# Altium PCB RoBeast_Control_Board_PCB.PcbDoc (part 2 of 3) (continued)
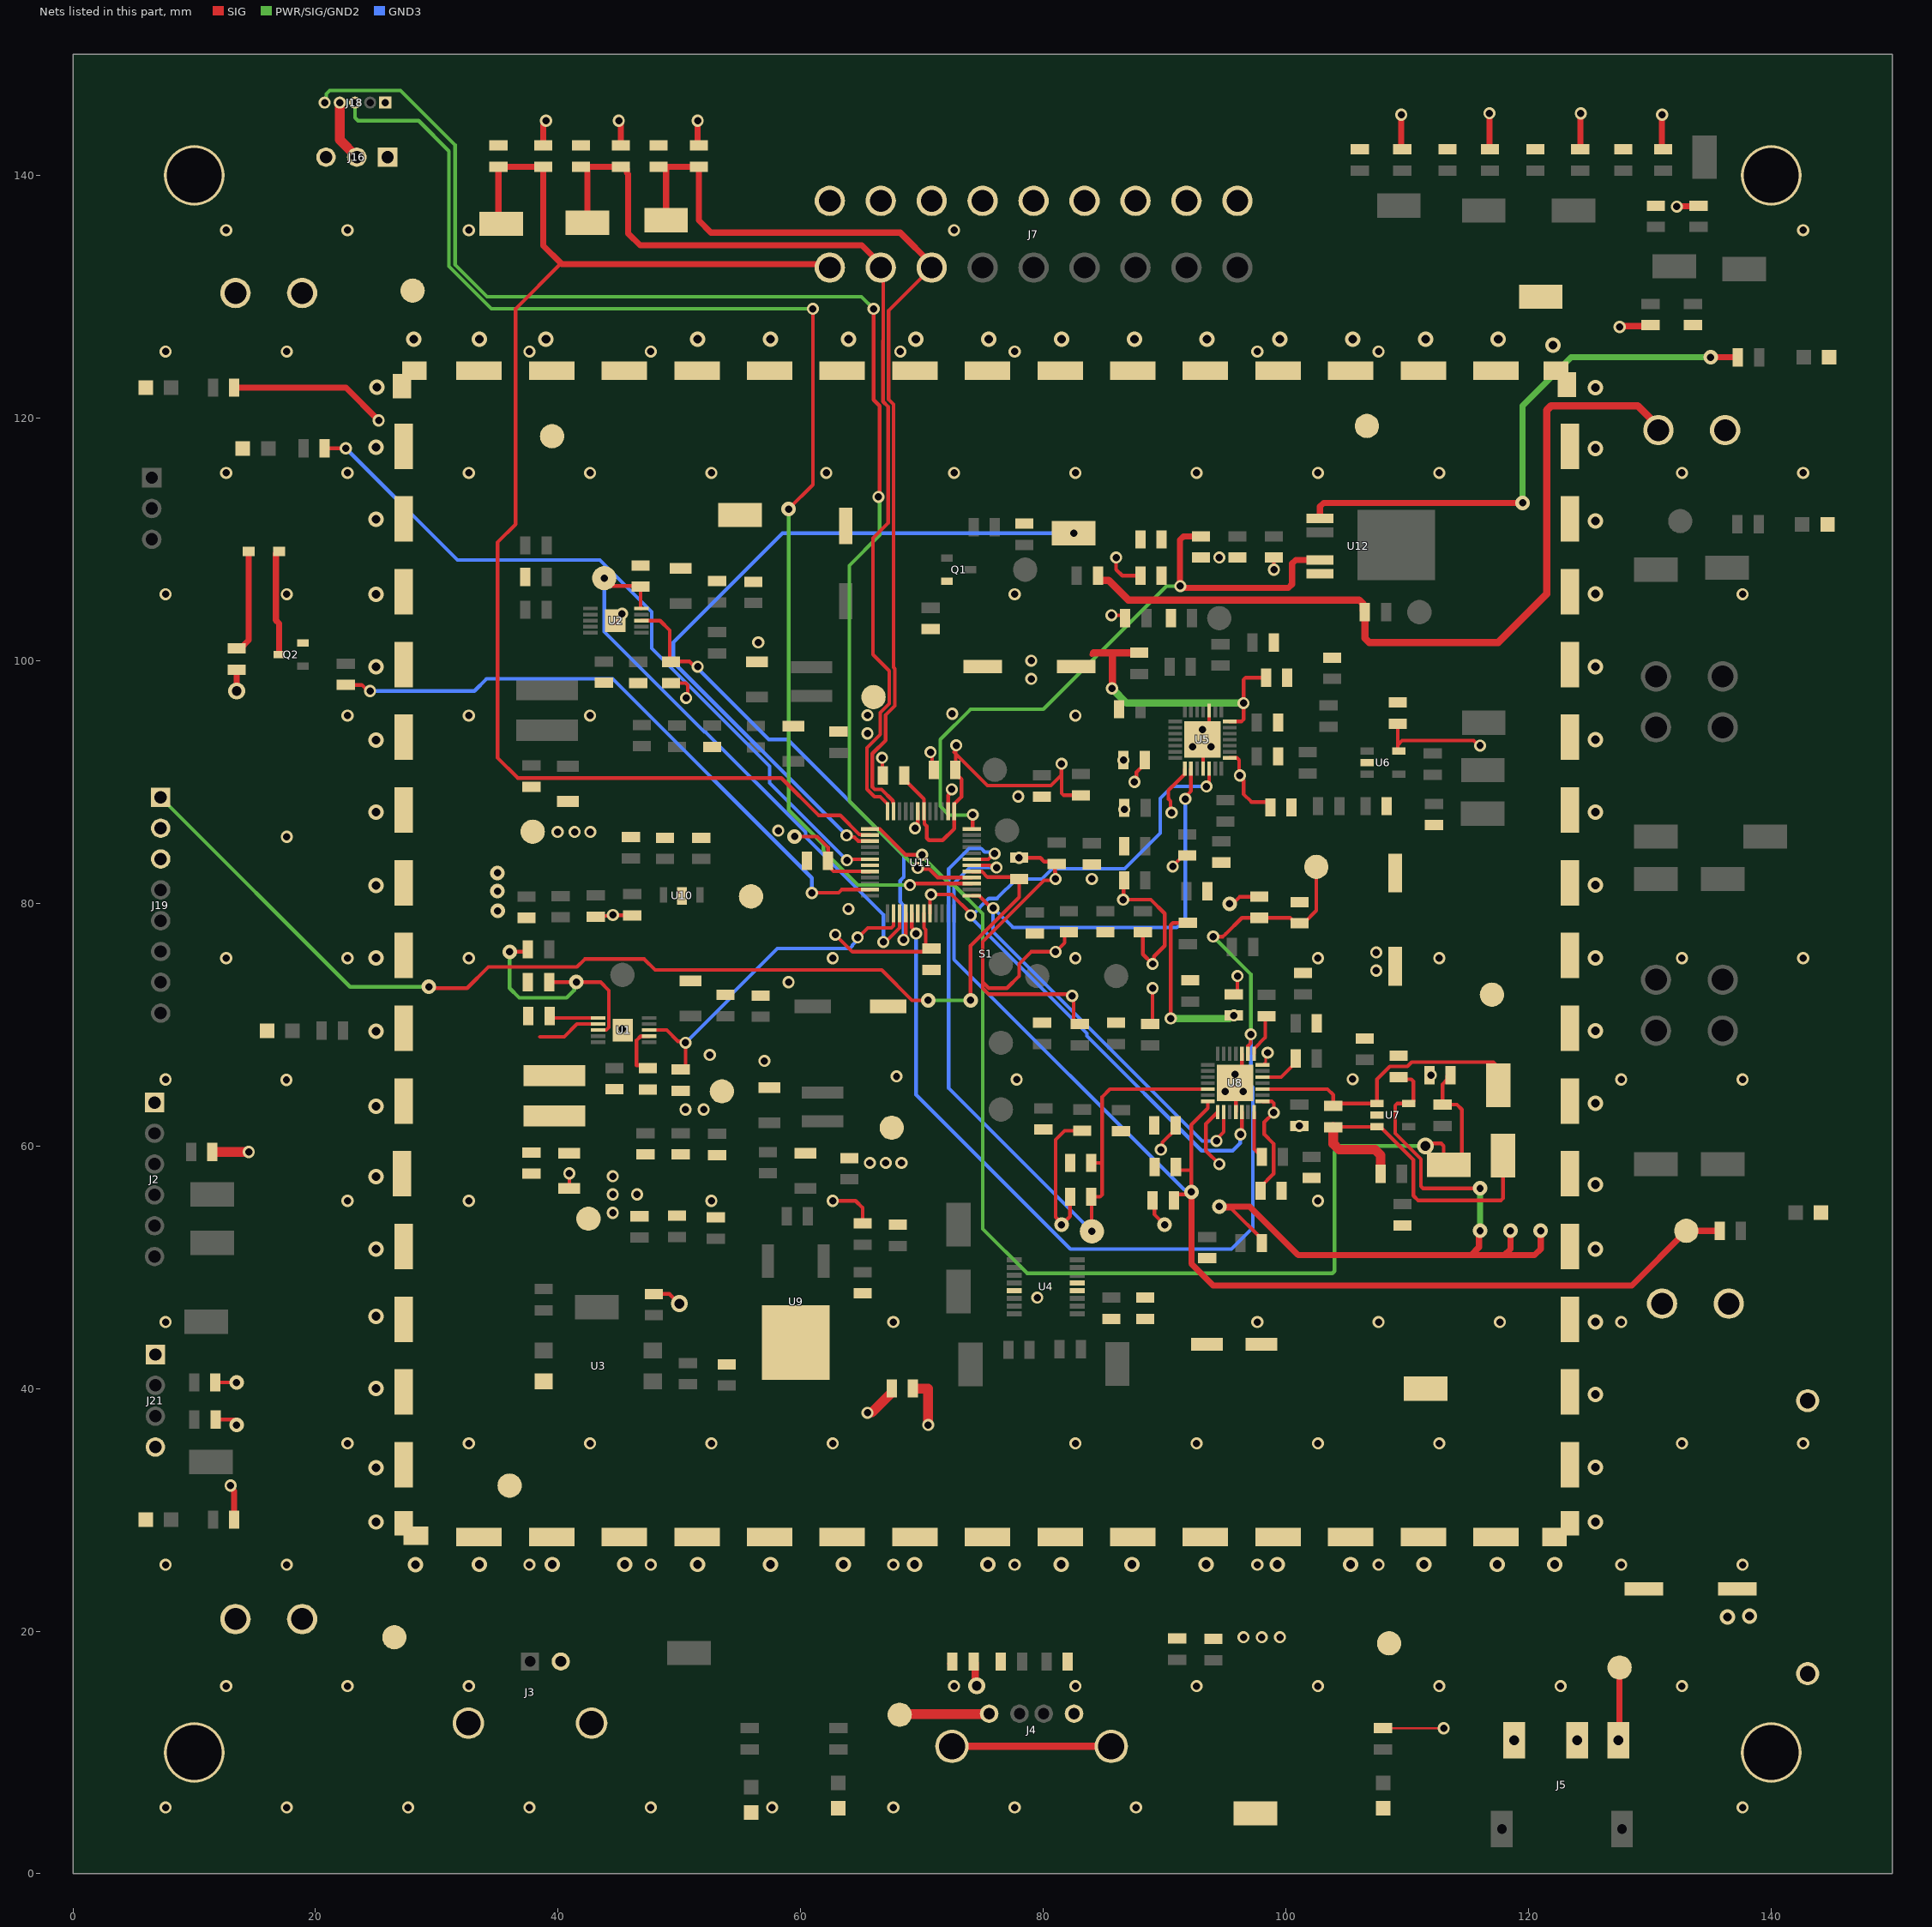
[diagram p4: the nets of this part, all layers, seen from the top]
## Part data (continued)
R17: library part RC0805FR-07160KL, "Fixed Resistor, Metal Glaze/thick Film, 0.125W, 160000ohm, 150V, 1% +/-Tol, 100ppm/Cel, Surface Mount, 0805", Case/Package=0805, Manufacturer=Yageo, Max Operating Temperature=155°C, Min Operating Temperature=-55°C, Package Height=0.5mm, Package Length=2mm, Package Shape=Rectangular, Package Style=SMTMeter, Package Width=1.25mm, Power=125mW, Rated Temperature=70°C, Resistor Type="FIXED RESISTOR", Supplier Part Number=311-160KCRCT-ND, Temperature Coefficient=100ppm/°C, Tolerance=1%, Working Voltage=150V, Additional Feature="LASER TRIMMABLE", Category="Chip SMD Resistors", ComponentLink1Description=https://datasheet.ciiva.com:443/pdfs/VipMasterIC/IC/YAGO/YAGO-S-A0008145938/YAGO-S-A0008145938-1.pdf?src-supplier=IHS+Markit, ComponentLink1URL=https://datasheet.ciiva.com:443/pdfs/VipMasterIC/IC/YAGO/YAGO-S-A0008145938/YAGO-S-A0008145938-1.pdf?src-supplier=IHS+Markit, ComponentLink2Description=https://datasheet.ciiva.com/11808/0900766b8106beab-11808868.pdf?src-supplier=Rs, ComponentLink2URL=https://datasheet.ciiva.com/11808/0900766b8106beab-11808868.pdf?src-supplier=Rs, ComponentLink3Description=https://datasheet.ciiva.com/2457/pyu-r-int-thick-7-2457007.pdf?src-supplier=Digikey, ComponentLink3URL=https://datasheet.ciiva.com/2457/pyu-r-int-thick-7-2457007.pdf?src-supplier=Digikey, ComponentLink4Description=https://datasheet.ciiva.com/2457/pyu-r-int-thick-7-2457005.pdf?src-supplier=Digikey, ComponentLink4URL=https://datasheet.ciiva.com/2457/pyu-r-int-thick-7-2457005.pdf?src-supplier=Digikey, ComponentLink5Description=https://datasheet.ciiva.com/17061/rc0805-17061772.pdf?src-supplier=Future+Electronics, ComponentLink5URL=https://datasheet.ciiva.com/17061/rc0805-17061772.pdf?src-supplier=Future+Electronics, Construction=Chip, JESD-609 Code=e3, Manufacturer Part Number=RC0805FR-07160KL, Mounting Technology="Surface Mount", Packaging="Tape and Reel", Pins=2, Pricing="1=0.1, 10=0.025, 50=0.016, 100=0.0133, 500=0.00912, 1000=0.00787 (USD)", Reach SVHC Compliant=Yes, RoHS=Yes, RoHS Compliant=Yes, Stock=270491, Supplier=Digikey, Technology="METAL GLAZE/THICK FILM", Terminal Finish=Nickel, Termination=Wraparound
R18: library part WR08X4702FTL, "Fixed Resistor, Metal Glaze/thick Film, 0.125W, 47000ohm, 150V, 1% +/-Tol, 100ppm/Cel, Surface Mount, 0805", Case/Package=0805, Manufacturer="Walsin Technologies", Max Operating Temperature=155°C, Min Operating Temperature=-55°C, Package Height=0.5mm, Package Length=2mm, Package Shape=Rectangular, Package Style=SMTMeter, Package Width=1.25mm, Power=125mW, Rated Temperature=70°C, Resistor Type="FIXED RESISTOR", Supplier Part Number=1292-WR08X4702FTLCT-ND, Temperature Coefficient=100ppm/°C, Tolerance=1%, Working Voltage=150V, Category="Chip SMD Resistors", ComponentLink1Description=https://datasheet.ciiva.com:443/pdfs/VipMasterIC/IC/WATC/WATC-S-A0005256878/WATC-S-A0005256878-1.pdf?src-supplier=IHS+Markit, ComponentLink1URL=https://datasheet.ciiva.com:443/pdfs/VipMasterIC/IC/WATC/WATC-S-A0005256878/WATC-S-A0005256878-1.pdf?src-supplier=IHS+Markit, ComponentLink2Description=http://www.farnell.com/datasheets/1960319.pdf?src-supplier=Farnell, ComponentLink2URL=http://www.farnell.com/datasheets/1960319.pdf?src-supplier=Farnell, ComponentLink3Description=https://www.verical.com/server-webapp/html/getDatasheet?partID=415239&src-supplier=Verical, ComponentLink3URL=https://www.verical.com/server-webapp/html/getDatasheet?partID=415239&src-supplier=Verical, ComponentLink4Description=http://www.farnell.com/datasheets/1960319.pdf?src-supplier=Element14, ComponentLink4URL=http://www.farnell.com/datasheets/1960319.pdf?src-supplier=Element14, ComponentLink5Description=http://www.farnell.com/datasheets/1960319.pdf?src-supplier=Newark, ComponentLink5URL=http://www.farnell.com/datasheets/1960319.pdf?src-supplier=Newark, Construction=Chip, JESD-609 Code=e3, Manufacturer Part Number=WR08X4702FTL, Mounting Technology="Surface Mount", Packaging="Tape and Reel", Pins=2, Pricing="1=0.1, 10=0.02, 50=0.0124, 100=0.0103, 500=0.007, 1000=0.00601 (USD)", Reach SVHC Compliant=Yes, RoHS=Yes, RoHS Compliant=Yes, Stock=4079, Supplier=Digikey, Technology="METAL GLAZE/THICK FILM", Terminal Finish=Nickel, Termination=Wraparound
R19 R29 R30 R32 R33 R34 R38 R39 R41 R42 R43 R44 R45 R59 R64 R65 R68 R69 R74 R75 R76 R77 R86 R89 R90 R91 R102 R103 R104 R105: library part RCC08054K70FKEA, "Fixed Resistor, Metal Glaze/thick Film, 0.25W, 4700ohm, 200V, 1% +/-Tol, 100ppm/Cel, Surface Mount, 0805", Manufacturer="Vishay Dale", Supplier Part Number 1=541-RCC08054K70FKEACT-ND, Category="Chip SMD Resistors", Manufacturer Part Number=RCC08054K70FKEA, Pricing 1="1=0.15, 10=0.069, 50=0.0454, 100=0.0385, 500=0.0271, 1000=0.0236 (USD)", RoHS=Yes, Stock 1=96612, Supplier 1=Digikey
R24: library part CRCW080560K4FKEA, "Fixed Resistor, Metal Glaze/thick Film, 0.125W, 60400ohm, 150V, 1% +/-Tol, 100ppm/Cel, Surface Mount, 0805", Manufacturer=Vishay, Max Operating Temperature=155°C, Min Operating Temperature=-55°C, Package Height=0.45mm, Package Length=2mm, Package Shape=Rectangular, Package Style=SMTMeter, Package Width=1.25mm, Rated Power Dissipation (P)=125mW, Rated Temperature=70°C, Resistor Type="FIXED RESISTOR", Supplier Part Number 1=541-60.4KCCT-ND, Temperature Coefficient=100ppm/°C, Tolerance=1%, Working Voltage=150V, Category="Chip SMD Resistors", ComponentLink1Description=https://datasheet.ciiva.com:443/pdfs/VipMasterIC/IC/VISH/VISH-S-A0007266705/VISH-S-A0007266705-1.pdf?src-supplier=IHS+Markit, ComponentLink1URL=https://datasheet.ciiva.com:443/pdfs/VipMasterIC/IC/VISH/VISH-S-A0007266705/VISH-S-A0007266705-1.pdf?src-supplier=IHS+Markit, ComponentLink2Description=https://datasheet.ciiva.com/11812/0900766b80d98b26-11812606.pdf?src-supplier=Rs, ComponentLink2URL=https://datasheet.ciiva.com/11812/0900766b80d98b26-11812606.pdf?src-supplier=Rs, ComponentLink3Description=https://datasheet.ciiva.com/2496/dcrcwe3-2496163.pdf?src-supplier=Digikey, ComponentLink3URL=https://datasheet.ciiva.com/2496/dcrcwe3-2496163.pdf?src-supplier=Digikey, ComponentLink4Description=https://datasheet.ciiva.com/2496/dcrcwe3-2496164.pdf?src-supplier=Digikey, ComponentLink4URL=https://datasheet.ciiva.com/2496/dcrcwe3-2496164.pdf?src-supplier=Digikey, ComponentLink5Description=https://datasheet.ciiva.com/2496/dcrcwe3-2496165.pdf?src-supplier=Digikey, ComponentLink5URL=https://datasheet.ciiva.com/2496/dcrcwe3-2496165.pdf?src-supplier=Digikey, ComponentLink6Description=https://datasheet.ciiva.com/8996/dcrcwe3-8996426.pdf?src-supplier=Avnet, ComponentLink6URL=https://datasheet.ciiva.com/8996/dcrcwe3-8996426.pdf?src-supplier=Avnet, ComponentLink7Description=https://datasheet.ciiva.com/8996/dcrcwe3-8996428.pdf?src-supplier=Avnet, ComponentLink7URL=https://datasheet.ciiva.com/8996/dcrcwe3-8996428.pdf?src-supplier=Avnet, ComponentLink8Description=https://datasheet.ciiva.com/16761/70201119-16761640.pdf?src-supplier=Allied+Electronics, ComponentLink8URL=https://datasheet.ciiva.com/16761/70201119-16761640.pdf?src-supplier=Allied+Electronics, ComponentLink9Description=https://datasheet.ciiva.com/16763/70201119-16763337.pdf?src-supplier=Allied+Electronics, ComponentLink9URL=https://datasheet.ciiva.com/16763/70201119-16763337.pdf?src-supplier=Allied+Electronics, ComponentLink10Description=https://datasheet.ciiva.com/22702/1697337-22702842.pdf?src-supplier=Element14, ComponentLink10URL=https://datasheet.ciiva.com/22702/1697337-22702842.pdf?src-supplier=Element14, ComponentLink11Description=https://datasheet.ciiva.com/7816/1697337-7816106.pdf?src-supplier=Element14, ComponentLink11URL=https://datasheet.ciiva.com/7816/1697337-7816106.pdf?src-supplier=Element14, ComponentLink12Description=https://datasheet.ciiva.com/7816/1697337-7816107.pdf?src-supplier=Element14, ComponentLink12URL=https://datasheet.ciiva.com/7816/1697337-7816107.pdf?src-supplier=Element14, Construction=Chip, JESD-609 Code=e3, Manufacturer Part Number=CRCW080560K4FKEA, Mount="Surface Mount", Number of Pins=2, Packaging="Tape and Reel", Pricing 1="1=0.1, 10=0.038, 50=0.0248, 100=0.021, 500=0.01462, 1000=0.01273 (USD)", Reach SVHC Compliant=Yes, Reference Standard=AEC-Q200, Resistance=60.4kR, RoHS=Yes, RoHS Compliant=Yes, Size Code=0805, Stock 1=41115, Supplier 1=Digikey, Technology="METAL GLAZE/THICK FILM", Terminal Finish=Nickel, Termination=Wraparound
R25: library part RC0805FR-131ML, "Fixed Resistor, Metal Glaze/thick Film, 0.125W, 1000000ohm, 150V, 1% +/-Tol, 100ppm/Cel, Surface Mount, 0805", Manufacturer=Yageo, Max Operating Temperature=155°C, Min Operating Temperature=-55°C, Package Height=0.5mm, Package Length=2mm, Package Shape=Rectangular, Package Style=SMTMeter, Package Width=1.25mm, Rated Power Dissipation (P)=125mW, Rated Temperature=70°C, Resistor Type="FIXED RESISTOR", Supplier Part Number 1=13-RC0805FR-131MLCT-ND, Temperature Coefficient=100ppm/°C, Tolerance=1%, Working Voltage=150V, Additional Feature="LASER TRIMMABLE", Category="Chip SMD Resistors", ComponentLink1Description=https://datasheet.ciiva.com:443/pdfs/VipMasterIC/IC/YAGO/YAGO-S-A0008145938/YAGO-S-A0008145938-1.pdf?src-supplier=IHS+Markit, ComponentLink1URL=https://datasheet.ciiva.com:443/pdfs/VipMasterIC/IC/YAGO/YAGO-S-A0008145938/YAGO-S-A0008145938-1.pdf?src-supplier=IHS+Markit, ComponentLink2Description=https://datasheet.ciiva.com/17332/rc0805-17332618.pdf?src-supplier=Future+Electronics, ComponentLink2URL=https://datasheet.ciiva.com/17332/rc0805-17332618.pdf?src-supplier=Future+Electronics, ComponentLink3Description=https://datasheet.ciiva.com/12560/rc0805-257173-12560472.pdf?src-supplier=Mouser, ComponentLink3URL=https://datasheet.ciiva.com/12560/rc0805-257173-12560472.pdf?src-supplier=Mouser, Construction=Chip, JESD-609 Code=e3, Manufacturer Part Number=RC0805FR-131ML, Mount="Surface Mount", Number of Pins=2, Packaging="Tape and Reel", Pricing 1="1=0.1, 10=0.025, 50=0.016, 100=0.0133, 500=0.00912, 1000=0.00787, 5000=0.00577, 10000=0.00511 (USD)", Reach SVHC Compliant=Yes, Resistance=1MR, RoHS=Yes, RoHS Compliant=Yes, Size Code=0805, Stock 1=43680, Supplier 1=Digikey, Technology="METAL GLAZE/THICK FILM", Terminal Finish=Nickel, Termination=Wraparound
R26: library part RT0805BRD07187KL, "Fixed Resistor, Thin Film, 0.125W, 187000ohm, 150V, 0.1% +/-Tol, 25ppm/Cel, Surface Mount, 0805", Manufacturer=Yageo, Max Operating Temperature=155°C, Min Operating Temperature=-55°C, Package Height=0.5mm, Package Length=2mm, Package Style=SMTMeter, Package Width=1.25mm, Rated Power Dissipation (P)=125mW, Rated Temperature=70°C, Resistor Type="FIXED RESISTOR", Supplier Part Number 1=13-RT0805BRD07187KLCT-ND, Temperature Coefficient=25ppm/°C, Tolerance=0.1%, Working Voltage=150V, Additional Feature="HIGH PRECISION", Category="Chip SMD Resistors", ComponentLink1Description=https://datasheet.ciiva.com:443/pdfs/VipMasterIC/IC/YAGO/YAGO-S-A0008510989/YAGO-S-A0008510989-1.pdf?src-supplier=IHS+Markit, ComponentLink1URL=https://datasheet.ciiva.com:443/pdfs/VipMasterIC/IC/YAGO/YAGO-S-A0008510989/YAGO-S-A0008510989-1.pdf?src-supplier=IHS+Markit, ComponentLink2Description=https://datasheet.ciiva.com/2584/pyu-rt-1-to-0-05-rohs-l-5-2584781.pdf?src-supplier=Digikey, ComponentLink2URL=https://datasheet.ciiva.com/2584/pyu-rt-1-to-0-05-rohs-l-5-2584781.pdf?src-supplier=Digikey, Construction=Chip, Manufacturer Part Number=RT0805BRD07187KL, Mount="Surface Mount", Number of Pins=2, Packaging="Tape and Reel", Pricing 1="1=0.15, 10=0.113, 50=0.0884, 100=0.0791, 500=0.06002, 1000=0.05296 (USD)", Reach SVHC Compliant=Yes, Resistance=187kR, RoHS=Yes, RoHS Compliant=Yes, Size Code=0805, Stock 1=5495, Supplier 1=Digikey, Technology="THIN FILM", Termination=Wraparound
R28 R31 R36 R37: library part D1WEL0805CR200F-T5, "Res 0805 50PPM 0.2 Ohm 1.0% 0.75", Manufacturer="Thin Film Tech", Supplier Part Number 1=4463-D1WEL0805CR200F-T5CT-ND, Category="Chip SMD Resistors", Manufacturer Part Number=D1WEL0805CR200F-T5, Pricing 1="1=0.46, 10=0.337, 25=0.2704, 50=0.2008, 100=0.1417, 250=0.1262, 500=0.10818, 1000=0.08242 (USD)", RoHS=No, Stock 1=11324, Supplier 1=Digikey
R35 R40 R51 R52 R53 R54 R55 R60 R61 R62 R63 R72: library part RMCF0805FT10K0, "Fixed Resistor, Metal Glaze/thick Film, 0.125W, 10000ohm, 150V, 1% +/-Tol, 100ppm/Cel, Surface Mount, 0805", Manufacturer="Stackpole Electronics", Max Operating Temperature=155°C, Min Operating Temperature=-55°C, Package Height=0.5mm, Package Length=2mm, Package Shape=Rectangular, Package Style=SMTMeter, Package Width=1.25mm, Rated Power Dissipation (P)=125mW, Rated Temperature=70°C, Resistor Type="FIXED RESISTOR", Supplier Part Number 1=RMCF0805FT10K0CT-ND, Temperature Coefficient=100ppm/°C, Tolerance=1%, Working Voltage=150V, Category="Chip SMD Resistors", ComponentLink1Description=https://datasheet.ciiva.com:443/pdfs/VipMasterIC/IC/SEIE/SEIE-S-A0009541969/SEIE-S-A0009541969-1.pdf?src-supplier=IHS+Markit, ComponentLink1URL=https://datasheet.ciiva.com:443/pdfs/VipMasterIC/IC/SEIE/SEIE-S-A0009541969/SEIE-S-A0009541969-1.pdf?src-supplier=IHS+Markit, ComponentLink2Description=https://datasheet.ciiva.com/15193/getdatasheetpartid-362046-15193525.pdf?src-supplier=Verical, ComponentLink2URL=https://datasheet.ciiva.com/15193/getdatasheetpartid-362046-15193525.pdf?src-supplier=Verical, Construction=Rectangular, JESD-609 Code=e3, Manufacturer Part Number=RMCF0805FT10K0, Mount="Surface Mount", Number of Pins=2, Packaging="Tape and Reel", Pricing 1="1=0.1, 10=0.02, 50=0.0124, 100=0.0103, 500=0.007, 1000=0.00601 (USD)", Reach SVHC Compliant=Yes, Reference Standard=AEC-Q200, Resistance=10kR, RoHS=Yes, RoHS Compliant=Yes, Size Code=0805, Stock 1=3602197, Supplier 1=Digikey, Technology="METAL GLAZE/THICK FILM", Terminal Finish=Nickel, Termination=Wraparound
R48 R50: library part RMCF0805ZT0R00, "Fixed Resistor, Metal Glaze/thick Film, 0.125W, 0ohm, Surface Mount, 0805", Manufacturer="Stackpole Electronics", Max Operating Temperature=155°C, Min Operating Temperature=-55°C, Package Height=0.5mm, Package Length=2mm, Package Shape=Rectangular, Package Style=SMTMeter, Package Width=1.25mm, Rated Power Dissipation (P)=125mW, Rated Temperature=70°C, Resistance=0R, Resistor Type="FIXED RESISTOR", Supplier Part Number 1=RMCF0805ZT0R00CT-ND, Working Voltage=150V, Category="Chip SMD Resistors", ComponentLink1Description=https://datasheet.ciiva.com:443/pdfs/VipMasterIC/IC/SEIE/SEIE-S-A0007077258/SEIE-S-A0007077258-1.pdf?src-supplier=IHS+Markit, ComponentLink1URL=https://datasheet.ciiva.com:443/pdfs/VipMasterIC/IC/SEIE/SEIE-S-A0007077258/SEIE-S-A0007077258-1.pdf?src-supplier=IHS+Markit, ComponentLink2Description=https://datasheet.ciiva.com/15193/getdatasheetpartid-360417-15193658.pdf?src-supplier=Verical, ComponentLink2URL=https://datasheet.ciiva.com/15193/getdatasheetpartid-360417-15193658.pdf?src-supplier=Verical, Construction=Rectangular, JESD-609 Code=e3, Manufacturer Part Number=RMCF0805ZT0R00, Mount="Surface Mount", Number of Pins=2, Packaging="Tape and Reel", Pricing 1="1=0.1, 10=0.017, 25=0.0128, 50=0.0096, 100=0.0068, 250=0.00544, 500=0.00436, 1000=0.00321 (USD)", Reach SVHC Compliant=Yes, Reference Standard=AEC-Q200, RoHS=Yes, RoHS Compliant=Yes, Size Code=0805, Stock 1=1154169, Supplier 1=Digikey, Technology="METAL GLAZE/THICK FILM", Terminal Finish=Nickel, Termination=Wraparound
R58: library part CRGP0805F150R, "Fixed Resistor, Metal Glaze/thick Film, 0.33W, 150ohm, 150V, 1% +/-Tol, 100ppm/Cel, Surface Mount, 0805", Manufacturer="TE Connectivity", Resistor Type="FIXED RESISTOR", Supplier Part Number 1=A130467CT-ND, Category="Chip SMD Resistors", ComponentLink1Description=https://datasheet.ciiva.com:443/pdfs/VipMasterIC/IC/TYEL/TYEL-S-A0005460475/TYEL-S-A0005460475-1.pdf?src-supplier=IHS+Markit, ComponentLink1URL=https://datasheet.ciiva.com:443/pdfs/VipMasterIC/IC/TYEL/TYEL-S-A0005460475/TYEL-S-A0005460475-1.pdf?src-supplier=IHS+Markit, ComponentLink2Description=https://www.te.com/commerce/DocumentDelivery/DDEController?Action=srchrtrv&amp;DocNm=9-1773463-9&amp;DocType=DS&amp;DocLang=English&src-supplier=Digikey, ComponentLink2URL=https://www.te.com/commerce/DocumentDelivery/DDEController?Action=srchrtrv&amp;DocNm=9-1773463-9&amp;DocType=DS&amp;DocLang=English&src-supplier=Digikey, Manufacturer Part Number=CRGP0805F150R, Number of Pins=2, Pricing 1="1=0.17, 10=0.086, 50=0.0576, 100=0.0492, 500=0.0353, 1000=0.03107 (USD)", Reach SVHC Compliant=Yes, RoHS=Yes, RoHS Compliant=Yes, Stock 1=37582, Supplier 1=Digikey
R82 R84: library part ERJ-6CWDR020V, "Resistor Thick Film 0.02Ohm 0.5% 0.5W 2-Pin 0805 T/R", Manufacturer=Panasonic, Supplier Part Number 1=P124408CT-ND, Category="Chip SMD Resistors", ComponentLink1Description=https://datasheet.octopart.com/ERJ-6CWDR020V-Panasonic-datasheet-68299093.pdf?src-supplier=Future+Electronics, ComponentLink1URL=https://datasheet.octopart.com/ERJ-6CWDR020V-Panasonic-datasheet-68299093.pdf?src-supplier=Future+Electronics, ComponentLink2Description=http://industrial.panasonic.com/cdbs/www-data/pdf/RDN0000/AOA0000C313.pdf?src-supplier=Newark, ComponentLink2URL=http://industrial.panasonic.com/cdbs/www-data/pdf/RDN0000/AOA0000C313.pdf?src-supplier=Newark, ComponentLink3Description=http://industrial.panasonic.com/cdbs/www-data/pdf/RDN0000/AOA0000C313.pdf?src-supplier=Farnell, ComponentLink3URL=http://industrial.panasonic.com/cdbs/www-data/pdf/RDN0000/AOA0000C313.pdf?src-supplier=Farnell, ComponentLink4Description=https://industrial.panasonic.com/cdbs/www-data/pdf/RDN0000/AOA0000C313.pdf?src-supplier=Digikey, ComponentLink4URL=https://industrial.panasonic.com/cdbs/www-data/pdf/RDN0000/AOA0000C313.pdf?src-supplier=Digikey, Manufacturer Part Number=ERJ-6CWDR020V, Pricing 1="1=0.61, 10=0.427, 25=0.3652, 50=0.3176, 100=0.2488, 250=0.22764, 500=0.1853, 1000=0.14697 (USD)", RoHS=No, Stock 1=1997, Supplier 1=Digikey
R93 R106: library part RC0805FR-07360RL, "Fixed Resistor, Metal Glaze/thick Film, 0.125W, 360ohm, 150V, 1% +/-Tol, 100ppm/Cel, Surface Mount, 0805", Manufacturer=Yageo, Max Operating Temperature=155°C, Min Operating Temperature=-55°C, Package Height=0.5mm, Package Length=2mm, Package Shape=Rectangular, Package Style=SMTMeter, Package Width=1.25mm, Rated Power Dissipation (P)=125mW, Rated Temperature=70°C, Resistor Type="FIXED RESISTOR", Supplier Part Number 1=311-360CRCT-ND, Temperature Coefficient=100ppm/°C, Tolerance=1%, Working Voltage=150V, Additional Feature="LASER TRIMMABLE", Category="Chip SMD Resistors", ComponentLink1Description=https://datasheet.ciiva.com:443/pdfs/VipMasterIC/IC/YAGO/YAGO-S-A0008145938/YAGO-S-A0008145938-1.pdf?src-supplier=IHS+Markit, ComponentLink1URL=https://datasheet.ciiva.com:443/pdfs/VipMasterIC/IC/YAGO/YAGO-S-A0008145938/YAGO-S-A0008145938-1.pdf?src-supplier=IHS+Markit, ComponentLink2Description=https://datasheet.ciiva.com/11808/0900766b8106beab-11808261.pdf?src-supplier=Rs, ComponentLink2URL=https://datasheet.ciiva.com/11808/0900766b8106beab-11808261.pdf?src-supplier=Rs, ComponentLink3Description=https://datasheet.ciiva.com/17423/rc0805-17423149.pdf?src-supplier=Future+Electronics, ComponentLink3URL=https://datasheet.ciiva.com/17423/rc0805-17423149.pdf?src-supplier=Future+Electronics, ComponentLink4Description=https://datasheet.ciiva.com/12667/rc0805-12667401.pdf?src-supplier=Mouser, ComponentLink4URL=https://datasheet.ciiva.com/12667/rc0805-12667401.pdf?src-supplier=Mouser, Construction=Chip, JESD-609 Code=e3, Manufacturer Part Number=RC0805FR-07360RL, Mount="Surface Mount", Number of Pins=2, Packaging="Tape and Reel", Pricing 1="1=0.1, 10=0.026, 50=0.0162, 100=0.0136, 500=0.00938, 1000=0.0081 (USD)", Reach SVHC Compliant=Yes, Resistance=360R, RoHS=Yes, RoHS Compliant=Yes, Size Code=0805, Stock 1=62488, Supplier 1=Digikey, Technology="METAL GLAZE/THICK FILM", Terminal Finish=Nickel, Termination=Wraparound
S1: library part CMP-00028-00007-1
TP1 TP2 TP3 TP4 TP5 TP6 TP8 TP9 TP10 TP11 TP12 TP13 TP14 TP15 TP16 TP17 TP18 TP19 TP20 TP21 TP22 TP23 TP24 TP25 TP26 TP29 TP30 TP31 TP32 TP47 TP48 TP49 TP50 TP51 TP52 TP53 TP54 TP56: library part RCWCTE, "Testing/Accessories", Manufacturer="KOA Speer", Max Operating Temperature=125°C, Min Operating Temperature=-55°C, Package Height=2mm, Package Length=3.2mm, Package Shape=Rectangular, Package Style=SMTMeter, Package Width=1.6mm, Rated Temperature=70°C, Resistance=0R, Resistor Type="FIXED RESISTOR", Supplier Part Number 1=2019-RCWCTECT-ND, Category="Chip SMD Resistors", ComponentLink1Description=https://datasheet.ciiva.com:443/pdfs/VipMasterIC/IC/KOAS/KOASS03065/KOASS03065-1.pdf?src-supplier=IHS+Markit, ComponentLink1URL=https://datasheet.ciiva.com:443/pdfs/VipMasterIC/IC/KOAS/KOASS03065/KOASS03065-1.pdf?src-supplier=IHS+Markit, ComponentLink2Description=https://datasheet.ciiva.com/34302/1876186-34302940.pdf?src-supplier=Jameco, ComponentLink2URL=https://datasheet.ciiva.com/34302/1876186-34302940.pdf?src-supplier=Jameco, ComponentLink3Description=https://datasheet.ciiva.com/5556/rc-5556236.pdf?src-supplier=Mouser, ComponentLink3URL=https://datasheet.ciiva.com/5556/rc-5556236.pdf?src-supplier=Mouser, ComponentLink4Description=https://datasheet.ciiva.com/26821/getdatasheetpartid-110197-26821157.pdf?src-supplier=Verical, ComponentLink4URL=https://datasheet.ciiva.com/26821/getdatasheetpartid-110197-26821157.pdf?src-supplier=Verical, Construction=Chip, JESD-609 Code=e2, Manufacturer Part Number=RCWCTE, Mount="Surface Mount", Number of Pins=2, Packaging="Tape and Reel", Pricing 1="1=0.16, 10=0.137, 25=0.1212, 50=0.1132, 100=0.105, 250=0.09292, 500=0.08888, 1000=0.07272 (USD)", Reach SVHC Compliant=Yes, Reference Standard=AEC-Q200, RoHS=Yes, RoHS Compliant=Yes, Size Code=1206, Stock 1=132357, Supplier 1=Digikey, Terminal Finish=Copper, Termination=Wraparound
U1 U2: library part LT8606HMSE#PBF, Manufacturer="Analog Devices", Peak Reflow Temperature (Cel)=260°C, Supplier Part Number 1=505-LT8606HMSE#PBF-ND, Time @ Peak Reflow Temperature-Max (s)=30s, Analog IC - Other Type="SWITCHING REGULATOR", Category="Voltage Regulators - Switching", ComponentLink1Description=https://datasheet.ciiva.com:443/pdfs/VipMasterIC/IC/LITC/LITC-S-A0003568646/LITC-S-A0003568646-1.pdf?src-supplier=IHS+Markit, ComponentLink1URL=https://datasheet.ciiva.com:443/pdfs/VipMasterIC/IC/LITC/LITC-S-A0003568646/LITC-S-A0003568646-1.pdf?src-supplier=IHS+Markit, JESD-609 Code=e3, Manufacturer Part Number=LT8606HMSE#PBF, Moisture Sensitivity Level=1, Pricing 1="1=5.03, 10=4.519, 50=4.2724, 100=3.7027, 250=3.5128, 500=3.152, 1000=2.65832, 2500=2.5254 (USD)", Reach SVHC Compliant=Yes, RoHS=Yes, RoHS Compliant=Yes, Stock 1=1797, Supplier 1=Digikey, Terminal Finish=Tin
U3: library part LTV-817S-TA, "Transistor Output Optocoupler, 1-Element, 5000V Isolation", Manufacturer="Vishay Lite-On", Manufacturer Part Number=LTV-817S-TA1-D, Supplier Part Number 1=LTV-817S-TA1-D-ND, Category=Optocouplers, ComponentLink1Description=https://datasheet.ciiva.com/12240/ltv-817-827-847-12240455.pdf?src-supplier=Mouser, ComponentLink1URL=https://datasheet.ciiva.com/12240/ltv-817-827-847-12240455.pdf?src-supplier=Mouser, ComponentLink2Description=https://datasheet.ciiva.com/2958/s-110-ltv-817m-s-s-ta-s-ta1-s-tpseries20130925-2958798.pdf?src-supplier=Digikey, ComponentLink2URL=https://datasheet.ciiva.com/2958/s-110-ltv-817m-s-s-ta-s-ta1-s-tpseries20130925-2958798.pdf?src-supplier=Digikey, Pricing 1="1000=0.1201, 2000=0.11009, 5000=0.10008, 10000=0.09341, 25000=0.09007, 50000=0.08688 (USD)", RoHS=Yes, Stock 1=11000, Supplier 1=Digikey
U4: library part FT230XS-R, "Microprocessor Circuit, CMOS, PDSO16", Manufacturer=FTDI, Max Operating Temperature=85°C, Max Supply Voltage=5.5V, Min Operating Temperature=-40°C, Min Supply Voltage=2.97V, Package Body Material=Plastic, Package Code=SSOP, Package Equivalence Code=SSOP16,.25, Package Shape=Rectangular, Package Style="SMALL OUTLINE, SHRINK PITCHMeter", Peak Reflow Temperature (Cel)=260°C, Power Supplies=1.8/3.3,3.3/5V, Supplier Part Number 1=768-1135-1-ND, Supply Voltage-Nom=5V, Temperature Grade=INDUSTRIAL, Time @ Peak Reflow Temperature-Max (s)=40s, Category="Interface ICs", ComponentLink1Description=https://datasheet.ciiva.com:443/pdfs/VipMasterIC/IC/FTDI/FTDI-S-A0001962455/FTDI-S-A0001962455-1.pdf?src-supplier=IHS+Markit, ComponentLink1URL=https://datasheet.ciiva.com:443/pdfs/VipMasterIC/IC/FTDI/FTDI-S-A0001962455/FTDI-S-A0001962455-1.pdf?src-supplier=IHS+Markit, ComponentLink2Description=https://datasheet.ciiva.com/30478/0900766b811020cb-30478167.pdf?src-supplier=Rs, ComponentLink2URL=https://datasheet.ciiva.com/30478/0900766b811020cb-30478167.pdf?src-supplier=Rs, ComponentLink3Description=https://datasheet.ciiva.com/4787/ds-ft230x-5395-4787571.pdf?src-supplier=Mouser, ComponentLink3URL=https://datasheet.ciiva.com/4787/ds-ft230x-5395-4787571.pdf?src-supplier=Mouser, ComponentLink4Description=https://datasheet.ciiva.com/1787/ds-ft230x-1787315.pdf?src-supplier=Digikey, ComponentLink4URL=https://datasheet.ciiva.com/1787/ds-ft230x-1787315.pdf?src-supplier=Digikey, ComponentLink5Description=https://datasheet.ciiva.com/1787/ft-x-series-1787316.pdf?src-supplier=Digikey, ComponentLink5URL=https://datasheet.ciiva.com/1787/ft-x-series-1787316.pdf?src-supplier=Digikey, ComponentLink6Description=https://datasheet.ciiva.com/1787/ft-x-series-1787317.pdf?src-supplier=Digikey, ComponentLink6URL=https://datasheet.ciiva.com/1787/ft-x-series-1787317.pdf?src-supplier=Digikey, Height - Seated (Max)=1.75mm, JESD-30 Code=R-PDSO-G16, Length=4.9mm, Manufacturer Part Number=FT230XS-R, Moisture Sensitivity Level=3, Number of Pins=16, Pricing 1="1=2.26, 25=2.19, 100=2.12, 250=1.93, 500=1.7625 (USD)", Qualification Status="Not Qualified", Reach SVHC Compliant=Yes, RoHS=Yes, RoHS Compliant=Yes, Stock 1=39349, Supplier 1=Digikey, Surface Mount=Yes, Technology=CMOS, Terminal Form="Gull Wing", Terminal Pitch=0.635mm, Terminal Position=DUAL, Width=3.91mm
U5 U8: library part A4988SETTR-T, "Stepper Motor Controller, 2A, DMOS", Case/Package=HVQCCN, Manufacturer="Allegro MicroSystems", Max Operating Temperature=85°C, Max Output Current=2A, Max Supply Voltage=5.5V, Min Operating Temperature=-20°C, Min Supply Voltage=3V, Nominal Supply Voltage=3.3V, Package Shape=Square, Package Style="CHIP CARRIER, HEAT SINK/SLUG, VERY THIN PROFILEMeter", Power Supplies=35V, Supplier Part Number=620-1343-1-ND, Supply Current-Max (Isup)=8mA, Temperature Grade=OTHER, Category="Motor Drivers", Channels=1, ComponentLink1Description=https://datasheet.ciiva.com:443/pdfs/VipMasterIC/IC/ALLE/ALLE-S-A0001477902/ALLE-S-A0001477902-1.pdf?src-supplier=IHS+Markit, ComponentLink1URL=https://datasheet.ciiva.com:443/pdfs/VipMasterIC/IC/ALLE/ALLE-S-A0001477902/ALLE-S-A0001477902-1.pdf?src-supplier=IHS+Markit, ComponentLink2Description=https://datasheet.ciiva.com/1147/1481258-1147170.pdf?src-supplier=Element14, ComponentLink2URL=https://datasheet.ciiva.com/1147/1481258-1147170.pdf?src-supplier=Element14, ComponentLink3Description=https://datasheet.ciiva.com/15109/getdatasheetpartid-557828-15109654.pdf?src-supplier=Verical, ComponentLink3URL=https://datasheet.ciiva.com/15109/getdatasheetpartid-557828-15109654.pdf?src-supplier=Verical, ComponentLink4Description=https://datasheet.ciiva.com/1608/a4988-datasheet-1608449.pdf?src-supplier=Newark, ComponentLink4URL=https://datasheet.ciiva.com/1608/a4988-datasheet-1608449.pdf?src-supplier=Newark, ComponentLink5Description=https://datasheet.ciiva.com/3229/a4988-datasheet-3229532.pdf?src-supplier=Avnet, ComponentLink5URL=https://datasheet.ciiva.com/3229/a4988-datasheet-3229532.pdf?src-supplier=Avnet, Height - Seated (Max)=1mm, JESD-609 Code=e3, Length=5mm, Manufacturer Part Number=A4988SETTR-T, Moisture Sensitivity Level=2, Pins=28, Pricing="1=3.05, 10=2.74, 25=2.5908, 100=2.2452, 250=2.13008, 500=1.91132 (USD)", Qualification Status="Not Qualified", Reach SVHC Compliant=Yes, RoHS=Yes, RoHS Compliant=Yes, Stock=34042, Supplier=Digikey, Surface Mount=Yes, Technology=NMOS, Terminal Finish=Tin, Terminal Form="No Lead", Terminal Pitch=0.5mm, Terminal Position=QUAD, Throw Configuration="STEPPER MOTOR CONTROLLER", Width=5mm
U6 U7: library part INA180B3QDBVRQ1, "Operational Amplifier, 1 Func, 500uV Offset-Max, PDSO5", Manufacturer="Texas Instruments", Supplier Part Number 1=296-INA180B3QDBVRQ1CT-ND, Category="Amplifiers - Op Amps, Buffer, Instrumentation", Manufacturer Part Number=INA180B3QDBVRQ1, Pricing 1="1=0.58, 10=0.492, 25=0.4596, 100=0.3676, 250=0.34136, 500=0.28886, 1000=0.22321 (USD)", RoHS=Yes, Stock 1=5909, Supplier 1=Digikey